# KiCad board demomatrix.kicad_pcb (continued)
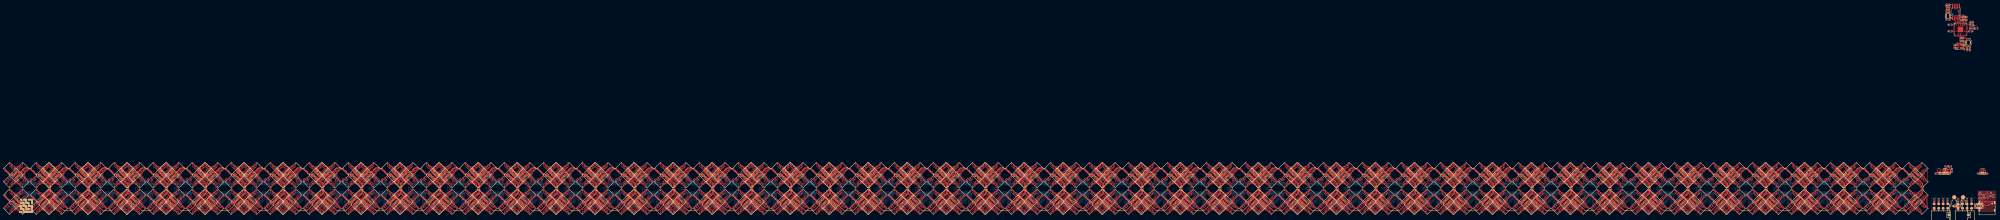
[diagram p0: board, top side]
## Routing (per net, layer and track width the routed paths; a pad name or vN(x,y) marks a point on that pad's centre or on a via; arc(x,y) is an arc through that point) (continued)
rgbs[2]-anodes-anode-271: length 1.8
  Top w0.2: LED399.8 -708.47,4.96 -708.47,6.23 LED398.7
rgbs[2]-anodes-anode-272: length 9.5
  Top w0.2: LED402.3 -700.07,23.22 -700.42,23.22 -700.43,23.22 -701.07,23.22 -702.55,21.75 -702.55,21.5 -701.87,20.82 -701.87,20.36 -702.55,19.69 -702.55,19.44 -700.88,17.77 -700.26,17.77 LED403.4
rgbs[2]-anodes-anode-273: length 12.3
  Top w0.2: -699.51,17.12 -700.79,17.12 -702.95,19.28 -702.95,19.86 -702.27,20.53 -702.27,20.66 -702.95,21.33 -702.95,21.91 -700.78,24.08 -699.23,24.08 LED402.1
rgbs[2]-anodes-anode-274: length 3.7
  Top w0.2: LED402.5 -700.72,22.18 -700.72,21.16 -701.07,20.81 -701.07,20.37 -700.72,20.02 -700.72,19.02 LED403.6
rgbs[2]-anodes-anode-275: length 1.8
  Top w0.2: LED402.7 -701.47,21.23 -701.47,19.96 LED403.8
rgbs[2]-anodes-anode-276: length 9.5
  Top w0.2: LED407.4 -685.26,17.77 -685.88,17.77 -687.55,19.44 -687.55,19.69 -686.87,20.36 -686.87,20.82 -687.55,21.5 -687.55,21.75 -686.07,23.22 -685.43,23.22 -685.42,23.22 -685.07,23.22 LED406.3
rgbs[2]-anodes-anode-277: length 19.4
  Top w0.2: -684.51,17.12 -685.79,17.12 -687.95,19.28 -687.95,19.86 -687.27,20.53 -687.27,20.66 -687.95,21.33 -687.95,21.91 -685.78,24.08 -684.23,24.08 LED406.1 -683.73,23.58 -683.73,17.61 LED407.2
rgbs[2]-anodes-anode-278: length 3.7
  Top w0.2: LED407.6 -685.72,19.02 -685.72,20.02 -686.07,20.37 -686.07,20.81 -685.72,21.16 -685.72,22.18 LED406.5
rgbs[2]-anodes-anode-279: length 1.8
  Top w0.2: LED407.8 -686.47,19.96 -686.47,21.23 LED406.7
rgbs[2]-anodes-anode-280: length 9.5
  Top w0.2: LED411.4 -700.26,2.77 -700.88,2.77 -702.55,4.44 -702.55,4.69 -701.87,5.36 -701.87,5.82 -702.55,6.5 -702.55,6.75 -701.07,8.22 -700.43,8.22 -700.42,8.22 -700.07,8.22 LED410.3
rgbs[2]-anodes-anode-281: length 12.3
  Top w0.2: -699.51,2.12 -700.79,2.12 -702.95,4.28 -702.95,4.86 -702.27,5.53 -702.27,5.66 -702.95,6.33 -702.95,6.91 -700.78,9.08 -699.23,9.08 LED410.1
rgbs[2]-anodes-anode-282: length 3.7
  Top w0.2: LED410.5 -700.72,7.18 -700.72,6.16 -701.07,5.81 -701.07,5.37 -700.72,5.02 -700.72,4.02 LED411.6
rgbs[2]-anodes-anode-283: length 1.8
  Top w0.2: LED410.7 -701.47,6.23 -701.47,4.96 LED411.8
rgbs[2]-anodes-anode-284: length 14.9
  Top w0.2: -686.87,5.36 -686.87,5.82 -687.55,6.5 -687.55,6.75 -686.07,8.22 -685.43,8.22 -685.42,8.22 -685.07,8.22 LED414.3 -684.58,7.73 -684.58,3.46 LED415.4 -685.26,2.77 -685.88,2.77 -687.55,4.44 -687.55,4.69 -686.87,5.36
rgbs[2]-anodes-anode-285: length 19.4
  Top w0.2: LED415.2 -683.73,2.61 -683.73,8.58 LED414.1 -684.23,9.08 -685.78,9.08 -687.95,6.91 -687.95,6.33 -687.27,5.66 -687.27,5.53 -687.95,4.86 -687.95,4.28 -685.79,2.12 -684.51,2.12
rgbs[2]-anodes-anode-286: length 3.7
  Top w0.2: LED414.5 -685.72,7.18 -685.72,6.16 -686.07,5.81 -686.07,5.37 -685.72,5.02 -685.72,4.02 LED415.6
rgbs[2]-anodes-anode-287: length 1.8
  Top w0.2: LED414.7 -686.47,6.23 -686.47,4.96 LED415.8
rgbs[2]-anodes-anode-288: length 9.5
  Top w0.2: LED419.4 -678.26,17.77 -678.88,17.77 -680.55,19.44 -680.55,19.69 -679.87,20.36 -679.87,20.82 -680.55,21.5 -680.55,21.75 -679.07,23.22 -678.43,23.22 -678.42,23.22 -678.07,23.22 LED418.3
rgbs[2]-anodes-anode-289: length 12.3
  Top w0.2: LED418.1 -677.23,24.08 -678.78,24.08 -680.95,21.91 -680.95,21.33 -680.27,20.66 -680.27,20.53 -680.95,19.86 -680.95,19.28 -678.79,17.12 -677.51,17.12
rgbs[2]-anodes-anode-290: length 3.7
  Top w0.2: LED418.5 -678.72,22.18 -678.72,21.16 -679.07,20.81 -679.07,20.37 -678.72,20.02 -678.72,19.02 LED419.6
rgbs[2]-anodes-anode-291: length 1.8
  Top w0.2: LED418.7 -679.47,21.23 -679.47,19.96 LED419.8
rgbs[2]-anodes-anode-292: length 9.5
  Top w0.2: LED423.4 -663.26,17.77 -663.88,17.77 -665.55,19.44 -665.55,19.69 -664.87,20.36 -664.87,20.82 -665.55,21.5 -665.55,21.75 -664.07,23.22 -663.43,23.22 -663.42,23.22 -663.07,23.22 LED422.3
rgbs[2]-anodes-anode-293: length 19.4
  Top w0.2: -662.51,17.12 -663.79,17.12 -665.95,19.28 -665.95,19.86 -665.27,20.53 -665.27,20.66 -665.95,21.33 -665.95,21.91 -663.78,24.08 -662.23,24.08 LED422.1 -661.73,23.58 -661.73,17.61 LED423.2
rgbs[2]-anodes-anode-294: length 3.7
  Top w0.2: LED422.5 -663.72,22.18 -663.72,21.16 -664.07,20.81 -664.07,20.37 -663.72,20.02 -663.72,19.02 LED423.6
rgbs[2]-anodes-anode-295: length 1.8
  Top w0.2: LED423.8 -664.47,19.96 -664.47,21.23 LED422.7
rgbs[2]-anodes-anode-296: length 9.5
  Top w0.2: LED426.3 -678.07,8.22 -678.42,8.22 -678.43,8.22 -679.07,8.22 -680.55,6.75 -680.55,6.5 -679.87,5.82 -679.87,5.36 -680.55,4.69 -680.55,4.44 -678.88,2.77 -678.26,2.77 LED427.4
rgbs[2]-anodes-anode-297: length 12.3
  Top w0.2: -677.51,2.12 -678.79,2.12 -680.95,4.28 -680.95,4.86 -680.27,5.53 -680.27,5.66 -680.95,6.33 -680.95,6.91 -678.78,9.08 -677.23,9.08 LED426.1
rgbs[2]-anodes-anode-298: length 3.7
  Top w0.2: LED426.5 -678.72,7.18 -678.72,6.16 -679.07,5.81 -679.07,5.37 -678.72,5.02 -678.72,4.02 LED427.6
rgbs[2]-anodes-anode-299: length 1.8
  Top w0.2: LED427.8 -679.47,4.96 -679.47,6.23 LED426.7
rgbs[2]-anodes-anode-300: length 14.9
  Top w0.2: -663.26,2.77 -663.88,2.77 -665.55,4.44 -665.55,4.69 -664.87,5.36 -664.87,5.82 -665.55,6.5 -665.55,6.75 -664.07,8.22 -663.43,8.22 -663.42,8.22 -663.07,8.22 LED430.3 -662.58,7.73 -662.58,3.46 LED431.4 -663.26,2.77
rgbs[2]-anodes-anode-301: length 19.4
  Top w0.2: -662.51,2.12 -663.79,2.12 -665.95,4.28 -665.95,4.86 -665.27,5.53 -665.27,5.66 -665.95,6.33 -665.95,6.91 -663.78,9.08 -662.23,9.08 LED430.1 -661.73,8.58 -661.73,2.61 LED431.2
rgbs[2]-anodes-anode-302: length 3.7
  Top w0.2: LED431.6 -663.72,4.02 -663.72,5.02 -664.07,5.37 -664.07,5.81 -663.72,6.16 -663.72,7.18 LED430.5
rgbs[2]-anodes-anode-303: length 1.8
  Top w0.2: LED430.7 -664.47,6.23 -664.47,4.96 LED431.8
rgbs[2]-anodes-anode-304: length 9.5
  Top w0.2: LED435.4 -656.26,17.77 -656.88,17.77 -658.55,19.44 -658.55,19.69 -657.87,20.36 -657.87,20.82 -658.55,21.5 -658.55,21.75 -657.07,23.22 -656.43,23.22 -656.42,23.22 -656.07,23.22 LED434.3
rgbs[2]-anodes-anode-305: length 12.3
  Top w0.2: -655.51,17.12 -656.79,17.12 -658.95,19.28 -658.95,19.86 -658.27,20.53 -658.27,20.66 -658.95,21.33 -658.95,21.91 -656.78,24.08 -655.23,24.08 LED434.1
rgbs[2]-anodes-anode-306: length 3.7
  Top w0.2: LED435.6 -656.72,19.02 -656.72,20.02 -657.07,20.37 -657.07,20.81 -656.72,21.16 -656.72,22.18 LED434.5
rgbs[2]-anodes-anode-307: length 1.8
  Top w0.2: LED434.7 -657.47,21.23 -657.47,19.96 LED435.8
rgbs[2]-anodes-anode-308: length 9.5
  Top w0.2: LED438.3 -641.07,23.22 -641.42,23.22 -641.43,23.22 -642.07,23.22 -643.55,21.75 -643.55,21.5 -642.87,20.82 -642.87,20.36 -643.55,19.69 -643.55,19.44 -641.88,17.77 -641.26,17.77 LED439.4
rgbs[2]-anodes-anode-309: length 19.4
  Top w0.2: -640.51,17.12 -641.79,17.12 -643.95,19.28 -643.95,19.86 -643.27,20.53 -643.27,20.66 -643.95,21.33 -643.95,21.91 -641.78,24.08 -640.23,24.08 LED438.1 -639.73,23.58 -639.73,17.61 LED439.2
rgbs[2]-anodes-anode-310: length 3.7
  Top w0.2: LED438.5 -641.72,22.18 -641.72,21.16 -642.07,20.81 -642.07,20.37 -641.72,20.02 -641.72,19.02 LED439.6
rgbs[2]-anodes-anode-311: length 1.8
  Top w0.2: LED439.8 -642.47,19.96 -642.47,21.23 LED438.7
rgbs[2]-anodes-anode-312: length 9.5
  Top w0.2: LED443.4 -656.26,2.77 -656.88,2.77 -658.55,4.44 -658.55,4.69 -657.87,5.36 -657.87,5.82 -658.55,6.5 -658.55,6.75 -657.07,8.22 -656.43,8.22 -656.42,8.22 -656.07,8.22 LED442.3
rgbs[2]-anodes-anode-313: length 12.3
  Top w0.2: LED442.1 -655.23,9.08 -656.78,9.08 -658.95,6.91 -658.95,6.33 -658.27,5.66 -658.27,5.53 -658.95,4.86 -658.95,4.28 -656.79,2.12 -655.51,2.12
rgbs[2]-anodes-anode-314: length 3.7
  Top w0.2: LED442.5 -656.72,7.18 -656.72,6.16 -657.07,5.81 -657.07,5.37 -656.72,5.02 -656.72,4.02 LED443.6
rgbs[2]-anodes-anode-315: length 1.8
  Top w0.2: LED443.8 -657.47,4.96 -657.47,6.23 LED442.7
rgbs[2]-anodes-anode-316: length 14.9
  Top w0.2: -642.87,5.36 -642.87,5.82 -643.55,6.5 -643.55,6.75 -642.07,8.22 -641.43,8.22 -641.42,8.22 -641.07,8.22 LED446.3 -640.58,7.73 -640.58,3.46 LED447.4 -641.26,2.77 -641.88,2.77 -643.55,4.44 -643.55,4.69 -642.87,5.36
rgbs[2]-anodes-anode-317: length 19.4
  Top w0.2: LED447.2 -639.73,2.61 -639.73,8.58 LED446.1 -640.23,9.08 -641.78,9.08 -643.95,6.91 -643.95,6.33 -643.27,5.66 -643.27,5.53 -643.95,4.86 -643.95,4.28 -641.79,2.12 -640.51,2.12
rgbs[2]-anodes-anode-318: length 3.7
  Top w0.2: LED446.5 -641.72,7.18 -641.72,6.16 -642.07,5.81 -642.07,5.37 -641.72,5.02 -641.72,4.02 LED447.6
rgbs[2]-anodes-anode-319: length 1.8
  Top w0.2: LED446.7 -642.47,6.23 -642.47,4.96 LED447.8
rgbs[2]-anodes-anode-320: length 9.5
  Top w0.2: LED450.3 -634.07,23.22 -634.42,23.22 -634.43,23.22 -635.07,23.22 -636.55,21.75 -636.55,21.5 -635.87,20.82 -635.87,20.36 -636.55,19.69 -636.55,19.44 -634.88,17.77 -634.26,17.77 LED451.4
rgbs[2]-anodes-anode-321: length 12.3
  Top w0.2: LED450.1 -633.23,24.08 -634.78,24.08 -636.95,21.91 -636.95,21.33 -636.27,20.66 -636.27,20.53 -636.95,19.86 -636.95,19.28 -634.79,17.12 -633.51,17.12
rgbs[2]-anodes-anode-322: length 3.7
  Top w0.2: LED450.5 -634.72,22.18 -634.72,21.16 -635.07,20.81 -635.07,20.37 -634.72,20.02 -634.72,19.02 LED451.6
rgbs[2]-anodes-anode-323: length 1.8
  Top w0.2: LED450.7 -635.47,21.23 -635.47,19.96 LED451.8
rgbs[2]-anodes-anode-324: length 9.5
  Top w0.2: LED454.3 -619.07,23.22 -619.42,23.22 -619.43,23.22 -620.07,23.22 -621.55,21.75 -621.55,21.5 -620.87,20.82 -620.87,20.36 -621.55,19.69 -621.55,19.44 -619.88,17.77 -619.26,17.77 LED455.4
rgbs[2]-anodes-anode-325: length 19.4
  Top w0.2: -618.51,17.12 -619.79,17.12 -621.95,19.28 -621.95,19.86 -621.27,20.53 -621.27,20.66 -621.95,21.33 -621.95,21.91 -619.78,24.08 -618.23,24.08 LED454.1 -617.73,23.58 -617.73,17.61 LED455.2
rgbs[2]-anodes-anode-326: length 3.7
  Top w0.2: LED454.5 -619.72,22.18 -619.72,21.16 -620.07,20.81 -620.07,20.37 -619.72,20.02 -619.72,19.02 LED455.6
rgbs[2]-anodes-anode-327: length 1.8
  Top w0.2: LED454.7 -620.47,21.23 -620.47,19.96 LED455.8
rgbs[2]-anodes-anode-328: length 9.5
  Top w0.2: LED459.4 -634.26,2.77 -634.88,2.77 -636.55,4.44 -636.55,4.69 -635.87,5.36 -635.87,5.82 -636.55,6.5 -636.55,6.75 -635.07,8.22 -634.43,8.22 -634.42,8.22 -634.07,8.22 LED458.3
rgbs[2]-anodes-anode-329: length 12.3
  Top w0.2: -633.51,2.12 -634.79,2.12 -636.95,4.28 -636.95,4.86 -636.27,5.53 -636.27,5.66 -636.95,6.33 -636.95,6.91 -634.78,9.08 -633.23,9.08 LED458.1
rgbs[2]-anodes-anode-330: length 3.7
  Top w0.2: LED459.6 -634.72,4.02 -634.72,5.02 -635.07,5.37 -635.07,5.81 -634.72,6.16 -634.72,7.18 LED458.5
rgbs[2]-anodes-anode-331: length 1.8
  Top w0.2: LED458.7 -635.47,6.23 -635.47,4.96 LED459.8
rgbs[2]-anodes-anode-332: length 14.9
  Top w0.2: -618.58,3.46 LED463.4 -619.26,2.77 -619.88,2.77 -621.55,4.44 -621.55,4.69 -620.87,5.36 -620.87,5.82 -621.55,6.5 -621.55,6.75 -620.07,8.22 -619.43,8.22 -619.42,8.22 -619.07,8.22 LED462.3 -618.58,7.73 -618.58,3.46
rgbs[2]-anodes-anode-333: length 19.4
  Top w0.2: LED463.2 -617.73,2.61 -617.73,8.58 LED462.1 -618.23,9.08 -619.78,9.08 -621.95,6.91 -621.95,6.33 -621.27,5.66 -621.27,5.53 -621.95,4.86 -621.95,4.28 -619.79,2.12 -618.51,2.12
rgbs[2]-anodes-anode-334: length 3.7
  Top w0.2: LED462.5 -619.72,7.18 -619.72,6.16 -620.07,5.81 -620.07,5.37 -619.72,5.02 -619.72,4.02 LED463.6
rgbs[2]-anodes-anode-335: length 1.8
  Top w0.2: LED462.7 -620.47,6.23 -620.47,4.96 LED463.8
rgbs[2]-anodes-anode-336: length 9.5
  Top w0.2: LED467.4 -612.26,17.77 -612.88,17.77 -614.55,19.44 -614.55,19.69 -613.87,20.36 -613.87,20.82 -614.55,21.5 -614.55,21.75 -613.07,23.22 -612.43,23.22 -612.42,23.22 -612.07,23.22 LED466.3
rgbs[2]-anodes-anode-337: length 12.3
  Top w0.2: -611.51,17.12 -612.79,17.12 -614.95,19.28 -614.95,19.86 -614.27,20.53 -614.27,20.66 -614.95,21.33 -614.95,21.91 -612.78,24.08 -611.23,24.08 LED466.1
rgbs[2]-anodes-anode-338: length 3.7
  Top w0.2: LED466.5 -612.72,22.18 -612.72,21.16 -613.07,20.81 -613.07,20.37 -612.72,20.02 -612.72,19.02 LED467.6
rgbs[2]-anodes-anode-339: length 1.8
  Top w0.2: LED467.8 -613.47,19.96 -613.47,21.23 LED466.7
rgbs[2]-anodes-anode-340: length 9.5
  Top w0.2: LED470.3 -597.07,23.22 -597.42,23.22 -597.43,23.22 -598.07,23.22 -599.55,21.75 -599.55,21.5 -598.87,20.82 -598.87,20.36 -599.55,19.69 -599.55,19.44 -597.88,17.77 -597.26,17.77 LED471.4
rgbs[2]-anodes-anode-341: length 19.4
  Top w0.2: LED471.2 -595.73,17.61 -595.73,23.58 LED470.1 -596.23,24.08 -597.78,24.08 -599.95,21.91 -599.95,21.33 -599.27,20.66 -599.27,20.53 -599.95,19.86 -599.95,19.28 -597.79,17.12 -596.51,17.12
rgbs[2]-anodes-anode-342: length 3.7
  Top w0.2: LED470.5 -597.72,22.18 -597.72,21.16 -598.07,20.81 -598.07,20.37 -597.72,20.02 -597.72,19.02 LED471.6
rgbs[2]-anodes-anode-343: length 1.8
  Top w0.2: LED470.7 -598.47,21.23 -598.47,19.96 LED471.8
rgbs[2]-anodes-anode-344: length 9.5
  Top w0.2: LED475.4 -612.26,2.77 -612.88,2.77 -614.55,4.44 -614.55,4.69 -613.87,5.36 -613.87,5.82 -614.55,6.5 -614.55,6.75 -613.07,8.22 -612.43,8.22 -612.42,8.22 -612.07,8.22 LED474.3
rgbs[2]-anodes-anode-345: length 12.3
  Top w0.2: LED474.1 -611.23,9.08 -612.78,9.08 -614.95,6.91 -614.95,6.33 -614.27,5.66 -614.27,5.53 -614.95,4.86 -614.95,4.28 -612.79,2.12 -611.51,2.12
rgbs[2]-anodes-anode-346: length 3.7
  Top w0.2: LED474.5 -612.72,7.18 -612.72,6.16 -613.07,5.81 -613.07,5.37 -612.72,5.02 -612.72,4.02 LED475.6
rgbs[2]-anodes-anode-347: length 1.8
  Top w0.2: LED474.7 -613.47,6.23 -613.47,4.96 LED475.8
rgbs[2]-anodes-anode-348: length 14.9
  Top w0.2: -596.58,3.46 LED479.4 -597.26,2.77 -597.88,2.77 -599.55,4.44 -599.55,4.69 -598.87,5.36 -598.87,5.82 -599.55,6.5 -599.55,6.75 -598.07,8.22 -597.43,8.22 -597.42,8.22 -597.07,8.22 LED478.3 -596.58,7.73 -596.58,3.46
rgbs[2]-anodes-anode-349: length 19.4
  Top w0.2: LED479.2 -595.73,2.61 -595.73,8.58 LED478.1 -596.23,9.08 -597.78,9.08 -599.95,6.91 -599.95,6.33 -599.27,5.66 -599.27,5.53 -599.95,4.86 -599.95,4.28 -597.79,2.12 -596.51,2.12
rgbs[2]-anodes-anode-350: length 3.7
  Top w0.2: LED479.6 -597.72,4.02 -597.72,5.02 -598.07,5.37 -598.07,5.81 -597.72,6.16 -597.72,7.18 LED478.5
rgbs[2]-anodes-anode-351: length 1.8
  Top w0.2: LED478.7 -598.47,6.23 -598.47,4.96 LED479.8
rgbs[2]-anodes-anode-352: length 9.5
  Top w0.2: LED34.3 -590.07,23.22 -590.42,23.22 -590.43,23.22 -591.07,23.22 -592.55,21.75 -592.55,21.5 -591.87,20.82 -591.87,20.36 -592.55,19.69 -592.55,19.44 -590.88,17.77 -590.26,17.77 LED35.4
rgbs[2]-anodes-anode-353: length 12.3
  Top w0.2: LED34.1 -589.23,24.08 -590.78,24.08 -592.95,21.91 -592.95,21.33 -592.27,20.66 -592.27,20.53 -592.95,19.86 -592.95,19.28 -590.79,17.12 -589.51,17.12
rgbs[2]-anodes-anode-354: length 3.7
  Top w0.2: LED34.5 -590.72,22.18 -590.72,21.16 -591.07,20.81 -591.07,20.37 -590.72,20.02 -590.72,19.02 LED35.6
rgbs[2]-anodes-anode-355: length 1.8
  Top w0.2: LED34.7 -591.47,21.23 -591.47,19.96 LED35.8
rgbs[2]-anodes-anode-356: length 9.5
  Top w0.2: LED39.4 -575.26,17.77 -575.88,17.77 -577.55,19.44 -577.55,19.69 -576.87,20.36 -576.87,20.82 -577.55,21.5 -577.55,21.75 -576.07,23.22 -575.43,23.22 -575.42,23.22 -575.07,23.22 LED38.3
rgbs[2]-anodes-anode-357: length 19.4
  Top w0.2: LED39.2 -573.73,17.61 -573.73,23.58 LED38.1 -574.23,24.08 -575.78,24.08 -577.95,21.91 -577.95,21.33 -577.27,20.66 -577.27,20.53 -577.95,19.86 -577.95,19.28 -575.79,17.12 -574.51,17.12
rgbs[2]-anodes-anode-358: length 3.7
  Top w0.2: LED38.5 -575.72,22.18 -575.72,21.16 -576.07,20.81 -576.07,20.37 -575.72,20.02 -575.72,19.02 LED39.6
rgbs[2]-anodes-anode-359: length 1.8
  Top w0.2: LED38.7 -576.47,21.23 -576.47,19.96 LED39.8
rgbs[2]-anodes-anode-360: length 9.5
  Top w0.2: LED42.3 -590.07,8.22 -590.42,8.22 -590.43,8.22 -591.07,8.22 -592.55,6.75 -592.55,6.5 -591.87,5.82 -591.87,5.36 -592.55,4.69 -592.55,4.44 -590.88,2.77 -590.26,2.77 LED43.4
rgbs[2]-anodes-anode-361: length 12.3
  Top w0.2: -589.51,2.12 -590.79,2.12 -592.95,4.28 -592.95,4.86 -592.27,5.53 -592.27,5.66 -592.95,6.33 -592.95,6.91 -590.78,9.08 -589.23,9.08 LED42.1
rgbs[2]-anodes-anode-362: length 3.7
  Top w0.2: LED42.5 -590.72,7.18 -590.72,6.16 -591.07,5.81 -591.07,5.37 -590.72,5.02 -590.72,4.02 LED43.6
rgbs[2]-anodes-anode-363: length 1.8
  Top w0.2: LED43.8 -591.47,4.96 -591.47,6.23 LED42.7
rgbs[2]-anodes-anode-364: length 14.9
  Top w0.2: -574.58,3.46 LED47.4 -575.26,2.77 -575.88,2.77 -577.55,4.44 -577.55,4.69 -576.87,5.36 -576.87,5.82 -577.55,6.5 -577.55,6.75 -576.07,8.22 -575.43,8.22 -575.42,8.22 -575.07,8.22 LED46.3 -574.58,7.73 -574.58,3.46
rgbs[2]-anodes-anode-365: length 19.4
  Top w0.2: LED47.2 -573.73,2.61 -573.73,8.58 LED46.1 -574.23,9.08 -575.78,9.08 -577.95,6.91 -577.95,6.33 -577.27,5.66 -577.27,5.53 -577.95,4.86 -577.95,4.28 -575.79,2.12 -574.51,2.12
rgbs[2]-anodes-anode-366: length 3.7
  Top w0.2: LED47.6 -575.72,4.02 -575.72,5.02 -576.07,5.37 -576.07,5.81 -575.72,6.16 -575.72,7.18 LED46.5
rgbs[2]-anodes-anode-367: length 1.8
  Top w0.2: LED47.8 -576.47,4.96 -576.47,6.23 LED46.7
rgbs[2]-anodes-anode-368: length 9.5
  Top w0.2: LED483.4 -568.26,17.77 -568.88,17.77 -570.55,19.44 -570.55,19.69 -569.87,20.36 -569.87,20.82 -570.55,21.5 -570.55,21.75 -569.07,23.22 -568.43,23.22 -568.42,23.22 -568.07,23.22 LED482.3
rgbs[2]-anodes-anode-369: length 12.3
  Top w0.2: LED482.1 -567.23,24.08 -568.78,24.08 -570.95,21.91 -570.95,21.33 -570.27,20.66 -570.27,20.53 -570.95,19.86 -570.95,19.28 -568.79,17.12 -567.51,17.12
rgbs[2]-anodes-anode-370: length 3.7
  Top w0.2: LED483.6 -568.72,19.02 -568.72,20.02 -569.07,20.37 -569.07,20.81 -568.72,21.16 -568.72,22.18 LED482.5
rgbs[2]-anodes-anode-371: length 1.8
  Top w0.2: LED483.8 -569.47,19.96 -569.47,21.23 LED482.7
rgbs[2]-anodes-anode-372: length 9.5
  Top w0.2: LED486.3 -553.07,23.22 -553.42,23.22 -553.43,23.22 -554.07,23.22 -555.55,21.75 -555.55,21.5 -554.87,20.82 -554.87,20.36 -555.55,19.69 -555.55,19.44 -553.88,17.77 -553.26,17.77 LED487.4
rgbs[2]-anodes-anode-373: length 19.4
  Top w0.2: -552.51,17.12 -553.79,17.12 -555.95,19.28 -555.95,19.86 -555.27,20.53 -555.27,20.66 -555.95,21.33 -555.95,21.91 -553.78,24.08 -552.23,24.08 LED486.1 -551.73,23.58 -551.73,17.61 LED487.2
rgbs[2]-anodes-anode-374: length 3.7
  Top w0.2: LED486.5 -553.72,22.18 -553.72,21.16 -554.07,20.81 -554.07,20.37 -553.72,20.02 -553.72,19.02 LED487.6
rgbs[2]-anodes-anode-375: length 1.8
  Top w0.2: LED487.8 -554.47,19.96 -554.47,21.23 LED486.7
rgbs[2]-anodes-anode-376: length 9.5
  Top w0.2: LED491.4 -568.26,2.77 -568.88,2.77 -570.55,4.44 -570.55,4.69 -569.87,5.36 -569.87,5.82 -570.55,6.5 -570.55,6.75 -569.07,8.22 -568.43,8.22 -568.42,8.22 -568.07,8.22 LED490.3
rgbs[2]-anodes-anode-377: length 12.3
  Top w0.2: -567.51,2.12 -568.79,2.12 -570.95,4.28 -570.95,4.86 -570.27,5.53 -570.27,5.66 -570.95,6.33 -570.95,6.91 -568.78,9.08 -567.23,9.08 LED490.1
rgbs[2]-anodes-anode-378: length 3.7
  Top w0.2: LED490.5 -568.72,7.18 -568.72,6.16 -569.07,5.81 -569.07,5.37 -568.72,5.02 -568.72,4.02 LED491.6
rgbs[2]-anodes-anode-379: length 1.8
  Top w0.2: LED490.7 -569.47,6.23 -569.47,4.96 LED491.8
rgbs[2]-anodes-anode-380: length 14.9
  Top w0.2: -553.88,2.77 -555.55,4.44 -555.55,4.69 -554.87,5.36 -554.87,5.82 -555.55,6.5 -555.55,6.75 -554.07,8.22 -553.43,8.22 -553.42,8.22 -553.07,8.22 LED494.3 -552.58,7.73 -552.58,3.46 LED495.4 -553.26,2.77 -553.88,2.77
rgbs[2]-anodes-anode-381: length 19.4
  Top w0.2: LED495.2 -551.73,2.61 -551.73,8.58 LED494.1 -552.23,9.08 -553.78,9.08 -555.95,6.91 -555.95,6.33 -555.27,5.66 -555.27,5.53 -555.95,4.86 -555.95,4.28 -553.79,2.12 -552.51,2.12
rgbs[2]-anodes-anode-382: length 3.7
  Top w0.2: LED495.6 -553.72,4.02 -553.72,5.02 -554.07,5.37 -554.07,5.81 -553.72,6.16 -553.72,7.18 LED494.5
rgbs[2]-anodes-anode-383: length 1.8
  Top w0.2: LED494.7 -554.47,6.23 -554.47,4.96 LED495.8
rgbs[2]-anodes-anode-384: length 9.5
  Top w0.2: LED499.4 -546.26,17.77 -546.88,17.77 -548.55,19.44 -548.55,19.69 -547.87,20.36 -547.87,20.82 -548.55,21.5 -548.55,21.75 -547.07,23.22 -546.43,23.22 -546.42,23.22 -546.07,23.22 LED498.3
rgbs[2]-anodes-anode-385: length 12.3
  Top w0.2: LED498.1 -545.23,24.08 -546.78,24.08 -548.95,21.91 -548.95,21.33 -548.27,20.66 -548.27,20.53 -548.95,19.86 -548.95,19.28 -546.79,17.12 -545.51,17.12
rgbs[2]-anodes-anode-386: length 3.7
  Top w0.2: LED499.6 -546.72,19.02 -546.72,20.02 -547.07,20.37 -547.07,20.81 -546.72,21.16 -546.72,22.18 LED498.5
rgbs[2]-anodes-anode-387: length 1.8
  Top w0.2: LED499.8 -547.47,19.96 -547.47,21.23 LED498.7
rgbs[2]-anodes-anode-388: length 9.5
  Top w0.2: LED502.3 -531.07,23.22 -531.42,23.22 -531.43,23.22 -532.07,23.22 -533.55,21.75 -533.55,21.5 -532.87,20.82 -532.87,20.36 -533.55,19.69 -533.55,19.44 -531.88,17.77 -531.26,17.77 LED503.4
rgbs[2]-anodes-anode-389: length 19.4
  Top w0.2: -530.51,17.12 -531.79,17.12 -533.95,19.28 -533.95,19.86 -533.27,20.53 -533.27,20.66 -533.95,21.33 -533.95,21.91 -531.78,24.08 -530.23,24.08 LED502.1 -529.73,23.58 -529.73,17.61 LED503.2
rgbs[2]-anodes-anode-390: length 3.7
  Top w0.2: LED503.6 -531.72,19.02 -531.72,20.02 -532.07,20.37 -532.07,20.81 -531.72,21.16 -531.72,22.18 LED502.5
rgbs[2]-anodes-anode-391: length 1.8
  Top w0.2: LED502.7 -532.47,21.23 -532.47,19.96 LED503.8
rgbs[2]-anodes-anode-392: length 9.5
  Top w0.2: LED507.4 -546.26,2.77 -546.88,2.77 -548.55,4.44 -548.55,4.69 -547.87,5.36 -547.87,5.82 -548.55,6.5 -548.55,6.75 -547.07,8.22 -546.43,8.22 -546.42,8.22 -546.07,8.22 LED506.3
rgbs[2]-anodes-anode-393: length 12.3
  Top w0.2: -545.51,2.12 -546.79,2.12 -548.95,4.28 -548.95,4.86 -548.27,5.53 -548.27,5.66 -548.95,6.33 -548.95,6.91 -546.78,9.08 -545.23,9.08 LED506.1
rgbs[2]-anodes-anode-394: length 3.7
  Top w0.2: LED507.6 -546.72,4.02 -546.72,5.02 -547.07,5.37 -547.07,5.81 -546.72,6.16 -546.72,7.18 LED506.5
rgbs[2]-anodes-anode-395: length 1.8
  Top w0.2: LED506.7 -547.47,6.23 -547.47,4.96 LED507.8
rgbs[2]-anodes-anode-396: length 14.9
  Top w0.2: -531.42,8.22 -531.07,8.22 LED510.3 -530.58,7.73 -530.58,3.46 LED511.4 -531.26,2.77 -531.88,2.77 -533.55,4.44 -533.55,4.69 -532.87,5.36 -532.87,5.82 -533.55,6.5 -533.55,6.75 -532.07,8.22 -531.43,8.22 -531.42,8.22
rgbs[2]-anodes-anode-397: length 19.4
  Top w0.2: LED511.2 -529.73,2.61 -529.73,8.58 LED510.1 -530.23,9.08 -531.78,9.08 -533.95,6.91 -533.95,6.33 -533.27,5.66 -533.27,5.53 -533.95,4.86 -533.95,4.28 -531.79,2.12 -530.51,2.12
rgbs[2]-anodes-anode-398: length 3.7
  Top w0.2: LED511.6 -531.72,4.02 -531.72,5.02 -532.07,5.37 -532.07,5.81 -531.72,6.16 -531.72,7.18 LED510.5
rgbs[2]-anodes-anode-399: length 1.8
  Top w0.2: LED511.8 -532.47,4.96 -532.47,6.23 LED510.7
rgbs[2]-anodes-anode-400: length 9.5
  Top w0.2: LED515.4 -524.26,17.77 -524.88,17.77 -526.55,19.44 -526.55,19.69 -525.87,20.36 -525.87,20.82 -526.55,21.5 -526.55,21.75 -525.07,23.22 -524.43,23.22 -524.42,23.22 -524.07,23.22 LED514.3
rgbs[2]-anodes-anode-401: length 12.3
  Top w0.2: -523.51,17.12 -524.79,17.12 -526.95,19.28 -526.95,19.86 -526.27,20.53 -526.27,20.66 -526.95,21.33 -526.95,21.91 -524.78,24.08 -523.23,24.08 LED514.1
rgbs[2]-anodes-anode-402: length 3.7
  Top w0.2: LED515.6 -524.72,19.02 -524.72,20.02 -525.07,20.37 -525.07,20.81 -524.72,21.16 -524.72,22.18 LED514.5
rgbs[2]-anodes-anode-403: length 1.8
  Top w0.2: LED514.7 -525.47,21.23 -525.47,19.96 LED515.8
rgbs[2]-anodes-anode-404: length 9.5
  Top w0.2: LED519.4 -509.26,17.77 -509.88,17.77 -511.55,19.44 -511.55,19.69 -510.87,20.36 -510.87,20.82 -511.55,21.5 -511.55,21.75 -510.07,23.22 -509.43,23.22 -509.42,23.22 -509.07,23.22 LED518.3
rgbs[2]-anodes-anode-405: length 19.4
  Top w0.2: -508.51,17.12 -509.79,17.12 -511.95,19.28 -511.95,19.86 -511.27,20.53 -511.27,20.66 -511.95,21.33 -511.95,21.91 -509.78,24.08 -508.23,24.08 LED518.1 -507.73,23.58 -507.73,17.61 LED519.2
rgbs[2]-anodes-anode-406: length 3.7
  Top w0.2: LED518.5 -509.72,22.18 -509.72,21.16 -510.07,20.81 -510.07,20.37 -509.72,20.02 -509.72,19.02 LED519.6
rgbs[2]-anodes-anode-407: length 1.8
  Top w0.2: LED519.8 -510.47,19.96 -510.47,21.23 LED518.7
rgbs[2]-anodes-anode-408: length 9.5
  Top w0.2: LED522.3 -524.07,8.22 -524.42,8.22 -524.43,8.22 -525.07,8.22 -526.55,6.75 -526.55,6.5 -525.87,5.82 -525.87,5.36 -526.55,4.69 -526.55,4.44 -524.88,2.77 -524.26,2.77 LED523.4
rgbs[2]-anodes-anode-409: length 12.3
  Top w0.2: -523.51,2.12 -524.79,2.12 -526.95,4.28 -526.95,4.86 -526.27,5.53 -526.27,5.66 -526.95,6.33 -526.95,6.91 -524.78,9.08 -523.23,9.08 LED522.1
rgbs[2]-anodes-anode-410: length 3.7
  Top w0.2: LED523.6 -524.72,4.02 -524.72,5.02 -525.07,5.37 -525.07,5.81 -524.72,6.16 -524.72,7.18 LED522.5
rgbs[2]-anodes-anode-411: length 1.8
  Top w0.2: LED522.7 -525.47,6.23 -525.47,4.96 LED523.8
rgbs[2]-anodes-anode-412: length 14.9
  Top w0.2: -511.55,6.75 -510.07,8.22 -509.43,8.22 -509.42,8.22 -509.07,8.22 LED526.3 -508.58,7.73 -508.58,3.46 LED527.4 -509.26,2.77 -509.88,2.77 -511.55,4.44 -511.55,4.69 -510.87,5.36 -510.87,5.82 -511.55,6.5 -511.55,6.75
rgbs[2]-anodes-anode-413: length 19.4
  Top w0.2: -508.51,2.12 -509.79,2.12 -511.95,4.28 -511.95,4.86 -511.27,5.53 -511.27,5.66 -511.95,6.33 -511.95,6.91 -509.78,9.08 -508.23,9.08 LED526.1 -507.73,8.58 -507.73,2.61 LED527.2
rgbs[2]-anodes-anode-414: length 3.7
  Top w0.2: LED526.5 -509.72,7.18 -509.72,6.16 -510.07,5.81 -510.07,5.37 -509.72,5.02 -509.72,4.02 LED527.6
rgbs[2]-anodes-anode-415: length 1.8
  Top w0.2: LED526.7 -510.47,6.23 -510.47,4.96 LED527.8
